# KiCad board A0180_eol_ecu_mix.kicad_pcb (continued)
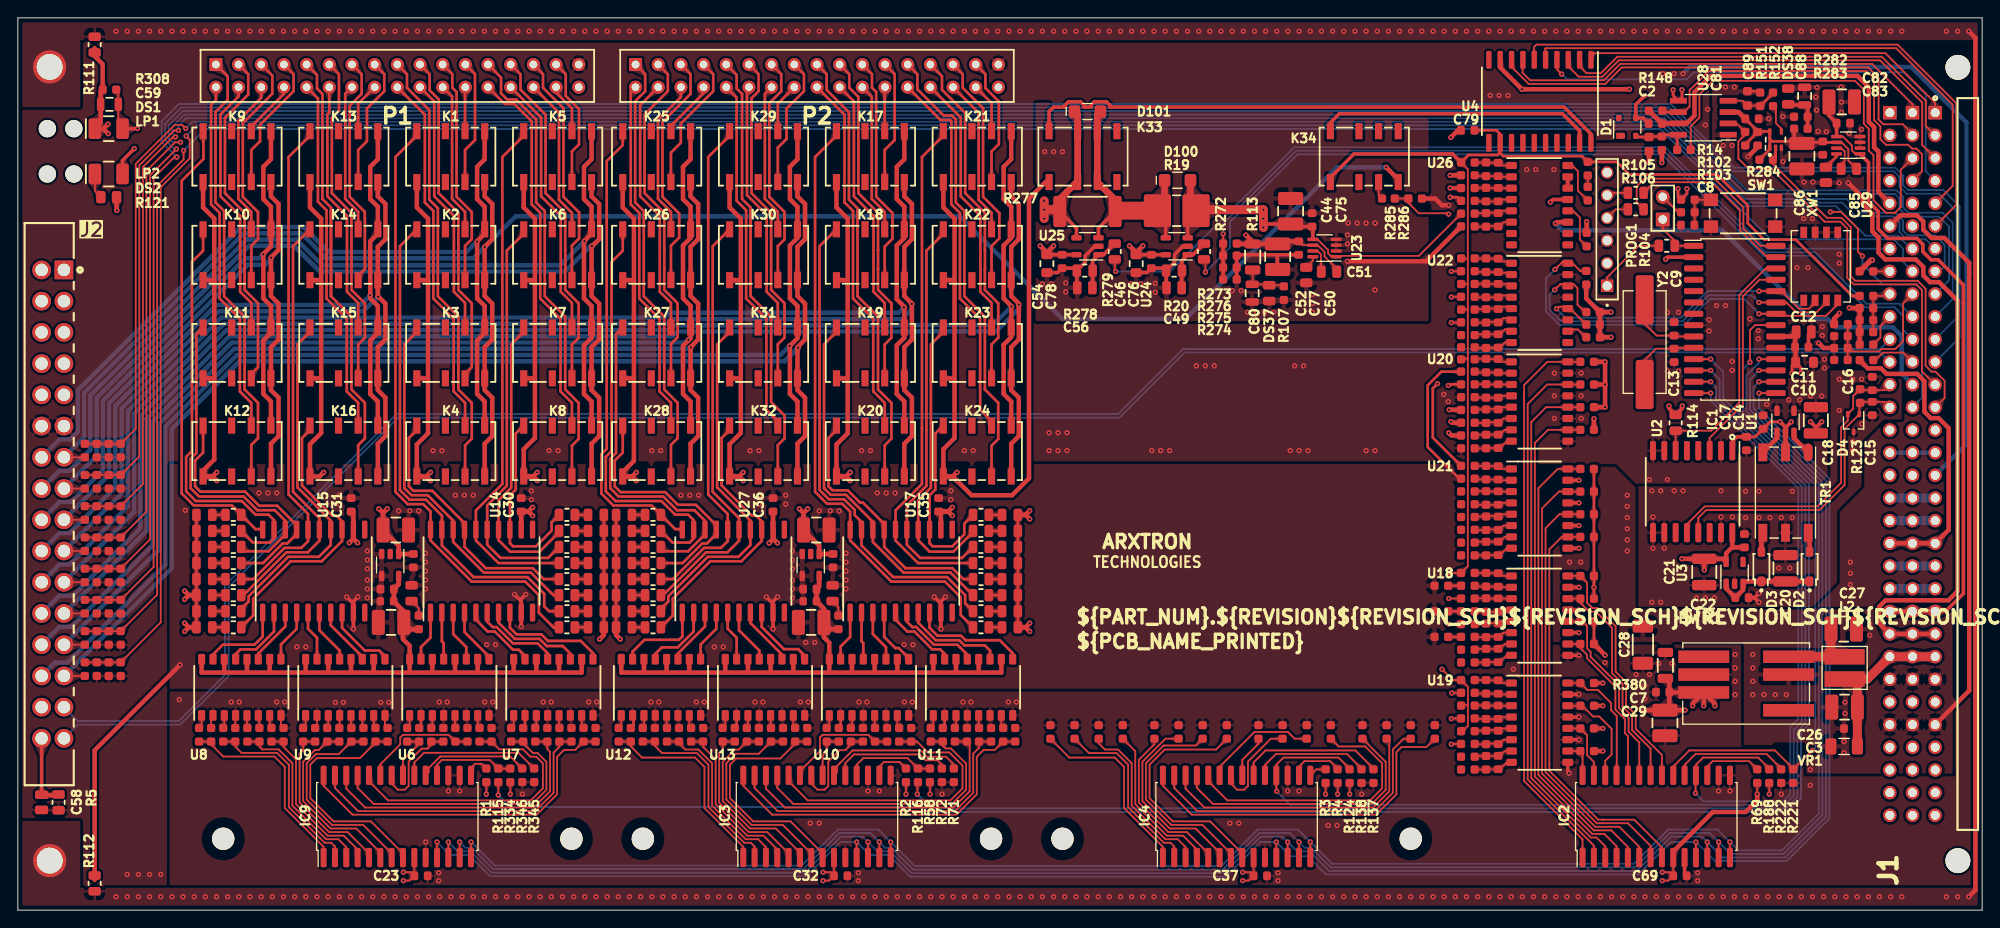
[diagram p0: board, top side]
## Routing (per net, layer and track width the routed paths; a pad name or vN(x,y) marks a point on that pad's centre or on a via; arc(x,y) is an arc through that point) (continued)
/AI#2+: length 263
  Top w0.2: R161.2 R237.1 R167.1 R162.1 14,47.75 14,83.27 17.39,86.66 v1(17.66,86.66)
  Bottom w0.2: v1(17.66,86.66) 17.3,87.02 17.3,87.8 18.65,89.15 184.6,89.15 184.78,88.97 193.49,80.26 210.24,80.26 210.75,79.75 210.75,78.61 211.63,77.72 215.18,77.72 216.3,76.6 216.3,70.61 J1.A9
/AI#2-: length 272.1
  Top w0.2: v1(18.22,86.06) 17.62,86.06 14.4,82.85 14.4,44.65 R164.1 R168.1 R238.1 R163.2
  Bottom w0.2: J1.A10 216.7,68.47 216.7,77.05 215.59,78.16 211.76,78.16 211.15,78.77 211.15,79.95 210.43,80.66 193.65,80.66 184.77,89.55 18.48,89.55 16.9,87.97 16.9,86.5 17.33,86.06 v1(18.22,86.06)
/AI#3+: length 279.3
  Top w0.2: R239.2 R247.1 R240.1 R251.1 14.8,41.55 14.8,82.35 v1(17.75,85.3)
  Bottom w0.2: v1(17.75,85.3) 17.53,85.3 16.5,86.33 16.5,88.13 18.32,89.95 184.93,89.95 185.55,89.33 192.08,82.8 210.1,82.8 210.75,82.15 210.75,81.09 211.54,80.3 215.14,80.3 217.1,78.34 217.1,66.33 J1.A11
/AI#3-: length 287.3
  Top w0.2: v1(17.8,84.4) 17.52,84.4 15.2,82.08 15.2,38.45 R242.1 R248.1 R252.1 R241.2
  Bottom w0.2: J1.A12 217.5,64.19 217.5,78.85 215.65,80.7 211.7,80.7 211.15,81.25 211.15,82.32 210.26,83.2 192.25,83.2 185.95,89.5 185.1,90.35 184.77,90.35 19.38,90.35 18.04,90.35 16.1,88.41 16.1,86.1 v1(17.8,84.4)
/AI#4+: length 265.8
  Top w0.2: v1(18.85,86.75) 19.25,86.35 19.25,84.25 16,81 16,32.25 R246.1 R250.1 R281.1 R245.2
  Bottom w0.2: v1(18.85,86.75) 20.05,87.95 184.11,87.95 184.28,87.78 193.16,78.9 203.6,78.9 206.92,75.58 210.58,75.58 212.04,74.13
/AI#4-: length 262.9
  Top w0.2: v1(18.56,85.13) 18.56,84.13 15.6,81.17 15.6,35.35 R244.1 R249.1 R280.1 R243.2
  Bottom w0.2: v1(18.56,85.13) 20.98,87.55 183.94,87.55 196.31,75.18 210.1,75.18 211.15,74.13 211.15,72.64 J1.B8
/AI#5+: length 16.6
  Top w0.2: R8.2 R7.2 R9.1 ; R8.2 R10.2 ; R8.2 205.33,62.61 208.45,62.61 208.73,62.89 210.28,62.89 211.15,63.75 211.15,68 J1.B9
/AI#5-: length 94.5
  Top w0.2: v1(135,75.8) 135,74.71
  Top w0.4: R274.2 R275.2 R276.2 R273.2
  Bottom w0.2: J1.B10 210.75,67.96 207.04,67.96 201.27,73.73 195.7,73.73 184.33,85.1 143.17,85.1 135,76.93 v1(135,75.8)
/AI#6+: length 97.6
  Top w0.2: v1(133,71.5) 133,73.28
  Bottom w0.2: J1.B11 211.15,65.02 211.15,66.6 210.19,67.56 206.87,67.56 201.1,73.33 195.49,73.33 184.12,84.7 143.33,84.7 135.75,77.12 135.75,74.25 v1(133,71.5)
/AI#6-: length 4.9
  Top w0.2: J1.B12 211.15,62.48 208.89,62.48 208.05,61.64
/AI#7+: length 98.6
  Top w0.2: R279.2 122.85,71.67 v1(122.95,71.58)
  Bottom w0.2: v1(122.95,71.58) 129.03,71.58 142.95,85.5 184.5,85.5 195.87,74.13 J1.C7
/AI#7-: length 1.9
  Top w0.2: R12.1 J1.C8
/AI#8+: length 5.7
  Top w0.2: R17.1 R15.2 R16.2 R18.2 ; 207.8,68.84 209.45,68.84
/AI#8-: length 3.9
  Top w0.2: J1.C10 208.61,65.46 208.61,64.19 R13.1
/APFI0: length 86.2
  Top w0.2: R285.1 R286.2 155.74,79.26 156.9,78.1 160.15,78.1 v1(160.25,78) ; v1(206.6,73.3) 206.1,73.8 206.1,76.34 204.19,78.25 v1(203,78.25)
  In2.Cu w0.2: v1(160.25,78) 160.25,76.25 165.5,71 181,71 188.25,78.25 v1(203,78.25)
  Bottom w0.2: v1(206.6,73.3) 206.6,72.37 208.86,70.11 212.64,70.11 213.25,69.49 213.25,57.41 J1.B14
/AUX_PWR: length 71.2
  Top w0.5: v1(160.25,53.5) 160.56,53.19 R209.1
  In2.Cu w0.5: v1(160.25,53.5) 160.9,52.85 199.65,52.85 205,47.5 210.05,47.5 210.86,46.69 210.86,37.23 J1.C22
  Bottom w1: J1.A22 J1.B22 J1.C22
/CAN/ECAN0Rx: length 23.3
  Top w0.2: 196.91,70.64 195.06,70.64 193.2,68.78 193.2,56.65 189.48,52.93 U2.3
/CAN/ECAN0Tx: length 28.1
  Top w0.2: U2.6 R114.2 189.66,53.73 192.8,56.88 192.8,68.95 195.76,71.92 IC1.26
/CFG_CH#0: length 216
  Top w0.2: J2.13 R157.1
  Top w0.5: K4.4 52.28,52.28 53.14,53.12 53.14,57.44 52.28,58.28 K3.4 52.28,63.1 53.14,63.95 53.14,67.97 52.28,68.83 K2.4 52.28,74.34 53.14,75.19 53.14,79.15 52.28,80 K1.4 ; v1(153.25,83.25) 154.6,81.9 K34.4
  Bottom w0.5: v1(153.25,83.25) 147.75,83.25 130.75,66.25 117,66.25 105.5,77.75 55.75,77.75 52.32,74.32 v1(52.29,74.32) 51.03,73.06 34.52,73.06 31.73,75.85 25.3,75.85 7.42,57.97 7.42,53.01 J2.13
/CFG_CH#1: length 114
  Top w0.2: R159.1 J2.15
  Top w0.5: K5.4 64.25,80 65.11,79.15 65.11,75.19 64.25,74.34 K6.4 64.25,68.83 65.11,67.97 65.11,63.95 64.25,63.1 K7.4 64.25,58.28 65.11,57.44 65.11,53.12 64.25,52.28 K8.4
  Bottom w0.5: v1(64.3,74.42) 64.13,74.42 61.28,71.58 33.81,71.58 30.94,74.45 25.88,74.45 8.82,57.39 8.82,50.91 J2.15
/CFG_CH#2: length 77.6
  Top w0.2: R161.1 J2.17
  Top w0.5: K9.4 28.34,80 29.19,79.15 29.19,74 28.34,73.14 K10.4 28.34,68.83 29.19,67.97 29.19,63.95 28.34,63.1 K11.4 28.34,58.28 29.19,57.44 29.19,53.12 28.34,52.28 K12.4
  Bottom w0.5: v1(28.38,73.12) 28.38,72.99 27.74,72.35 25.75,72.35 10.22,56.81 10.22,48.81 J2.17
/CFG_CH#3: length 90
  Top w0.2: R163.1 J2.19
  Top w0.5: K16.4 40.31,52.28 41.17,53.12 41.17,57.44 40.31,58.28 K15.4 40.31,63.1 41.17,63.95 41.17,67.97 40.31,68.83 K14.4 40.31,74.34 41.17,75.19 41.17,79.15 40.31,80 K13.4
  Bottom w0.5: v1(40.35,68.74) 40.35,68.73 39.67,68.05 39.6,68.05 38.66,67.11 22.5,67.11 11.62,56.23 11.62,46.71 J2.19
/CFG_CH#4: length 152.2
  Top w0.2: R239.1 J2.21
  Top w0.5: 99.28,81.6 99.28,80 100.13,79.15 100.13,75.19 99.28,74.34 99.28,68.83 100.13,67.97 100.13,63.95 99.28,63.1 99.28,58.28 100.13,57.44 100.13,53.12 99.28,52.28 99.28,48.6
  Bottom w0.5: v1(100.13,67.94) 100.13,67.34 99.04,66.25 73.26,66.25 72.72,65.71 23.08,65.71 13.02,55.65 13.02,44.61 J2.21
/CFG_CH#5: length 166.4
  Top w0.2: R241.1 J2.23
  Top w0.5: K21.4 111.25,80 112.1,79.15 112.1,75.19 111.25,74.34 K22.4 111.25,68.83 112.1,67.97 112.1,63.95 111.25,63.1 K23.4 111.25,58.28 112.1,57.44 112.1,53.12 111.25,52.28 K24.4
  Bottom w0.5: J2.23 14.42,42.51 14.42,55.07 23.66,64.31 73.3,64.31 73.84,64.85 99.35,64.85 99.62,64.85 99.63,64.86 109.56,64.86 112.11,67.41 v1(112.11,67.87)
/CFG_CH#6: length 129.7
  Top w0.2: R243.1 J2.25
  Top w0.5: K28.4 75.34,52.28 76.19,53.12 76.19,57.44 75.34,58.28 K27.4 75.34,63.1 76.19,63.95 76.19,67.97 75.34,68.83 K26.4 75.34,74.34 76.19,75.19 76.19,79.15 75.34,80 K25.4
  Bottom w0.5: v1(75.37,63.05) 75.23,62.91 24.24,62.91 15.82,54.49 15.82,40.41 J2.25
/CFG_CH#7: length 144.1
  Top w0.2: R245.1 J2.27
  Top w0.5: K32.4 87.31,52.28 88.16,53.12 88.16,57.44 87.31,58.28 K31.4 87.31,63.1 88.16,63.95 88.16,67.97 87.31,68.83 K30.4 87.31,74.34 88.16,75.19 88.16,79.15 87.31,80 K29.4
  Bottom w0.5: v1(87.39,63.04) 85.87,61.51 24.82,61.51 17.22,53.91 17.22,38.31 J2.27
/CFG_CH[0..3]/CFG_CH#0.0: length 14.1
  Top w0.3: P1.23 51.2,93.69 51.2,86.31 50.08,85.19 K1.3
/CFG_CH[0..3]/CFG_CH#0.1: length 25.8
  Top w0.3: P1.21 48.66,93.69 48.66,92.16 49.14,91.69 49.14,79.94 50.83,78.25 50.83,75.19 50.08,74.44 K2.3
/CFG_CH[0..3]/CFG_CH#0.2: length 37.4
  Top w0.3: P1.19 46.12,93.69 46.12,91.88 47.14,90.87 47.14,80.35 49.33,78.15 49.33,74.01 49.34,74.01 49.34,71.85 49.33,71.84 49.33,69.51 50.83,68.01 50.83,60.85 50.08,60.1
/CFG_CH[0..3]/CFG_CH#0.3: length 49.4
  Top w0.3: P1.17 43.58,93.69 43.58,92.16 46.08,89.66 46.08,79.62 47.04,78.66 47.04,68.8 49.33,66.51 49.33,58.35 50.83,56.85 50.83,52.84 50.08,52.09 50.08,49.1
/CFG_CH[0..3]/CFG_CH#1.0: length 14.6
  Top w0.3: 62.06,81.6 62.06,85.03 62.85,85.83 62.85,89.78 61.36,91.27 61.36,93.69 P1.31
/CFG_CH[0..3]/CFG_CH#1.1: length 26.6
  Top w0.3: 62.06,70.6 62.06,74.47 62.86,75.28 62.86,78.19 61.11,79.94 61.11,89.88 58.82,92.16 58.82,93.69 P1.29
/CFG_CH[0..3]/CFG_CH#1.2: length 38.1
  Top w0.3: 62.06,60.1 62.06,63.39 62.81,64.14 62.81,68.01 61.31,69.51 61.31,71.84 61.31,71.85 61.31,74.01 61.31,74.01 61.31,78.15 59.11,80.35 59.11,89.15 56.3,91.95 56.3,93.67 P1.27
/CFG_CH[0..3]/CFG_CH#1.3: length 50.8
  Top w0.3: 62.06,49.1 62.06,52.06 62.81,52.81 62.81,56.85 61.31,58.35 61.31,66.51 59.01,68.8 59.01,78.35 58.05,79.31 58.05,88.61 55.81,90.85 54.8,90.85 54.12,91.53 54.12,93.31 P1.25
/CFG_CH[0..3]/CFG_CH#2.0: length 15.6
  Top w0.3: K9.3 26.14,85.19 27.12,86.17 27.12,88.03 30.88,91.78 30.88,93.69 P1.7
/CFG_CH[0..3]/CFG_CH#2.1: length 27.1
  Top w0.3: K10.3 26.14,74.45 26.89,75.2 26.89,78.25 25.19,79.94 25.19,88.19 28.5,91.5 28.5,93.53 P1.5
/CFG_CH[0..3]/CFG_CH#2.2: length 38
  Top w0.3: 26.14,60.1 26.89,60.85 26.89,68.01 25.39,69.51 25.39,71.84 25.4,71.85 25.4,74.01 25.39,74.01 25.39,78.15 23.19,80.35 23.19,88.8 25.8,91.4 25.8,93.69 P1.3
/CFG_CH[0..3]/CFG_CH#2.3: length 49.1
  Top w0.3: P1.1 23.5,93.45 23.5,90.83 22.14,89.47 22.14,79.31 23.1,78.35 23.1,68.8 25.39,66.51 25.39,58.35 26.89,56.85 26.89,52.89 26.14,52.14 26.14,49.1
/CFG_CH[0..3]/CFG_CH#4.0: length 14.8
  Top w0.3: P1.15 41.04,93.69 41.04,91.78 39.09,89.84 39.09,86.17 38.11,85.19 K13.3
/CFG_CH[0..3]/CFG_CH#4.1: length 25.7
  Top w0.3: 38.11,71.1 38.86,71.85 38.86,77.55 38.85,77.55 38.85,78.26 37.17,79.94 37.17,90.14 38.5,91.48 38.5,93.69 P1.13
/CFG_CH[0..3]/CFG_CH#4.2: length 37.3
  Top w0.3: P1.11 35.96,93.69 35.96,89.59 35.17,88.8 35.17,80.35 37.36,78.15 37.36,69.51 38.86,68.01 38.86,64.14 38.11,63.39 38.11,60.1
/CFG_CH[0..3]/CFG_CH#4.3: length 58.4
  Top w0.3: 35.07,68.8 35.07,78.35 35.07,78.2 ; 35.07,68.8 37.36,66.51 37.36,58.35 38.86,56.85 38.86,52.86 38.11,52.11 38.11,49.1 ; 35.07,68.8 35.07,78.2 ; 35.07,78.2 35.07,78.74 34.11,79.7 34.11,91.47 33.5,92.08 33.5,93.61 P1.9
/CFG_CH[0..3]/RTN_CFG_CH#0.0: length 4.9
  Top w0.3: K1.6 50.08,92.19
/CFG_CH[0..3]/RTN_CFG_CH#0.1: length 17
  Top w0.3: P1.22 48.64,91.17 48.64,79.71 50.08,78.26 K2.6
/CFG_CH[0..3]/RTN_CFG_CH#0.2: length 29
  Top w0.3: K3.6 50.08,68.06 48.83,69.31 48.83,77.81 46.64,80 46.64,90.63 P1.20
/CFG_CH[0..3]/RTN_CFG_CH#0.3: length 41.1
  Top w0.3: K4.6 50.08,56.86 48.81,58.14 48.81,66.28 46.54,68.54 46.54,78.36 45.58,79.32 45.58,89.15 P1.18
/CFG_CH[0..3]/RTN_CFG_CH#1.0: length 5.7
  Top w0.3: 62.06,87.3 62.06,89.86 60.28,91.64 P1.32
/CFG_CH[0..3]/RTN_CFG_CH#1.1: length 17.7
  Top w0.3: P1.30 60.61,89.37 60.61,79.59 62.06,78.15 62.06,76.3
/CFG_CH[0..3]/RTN_CFG_CH#1.2: length 29.8
  Top w0.3: 62.06,65.3 62.06,68.06 60.81,69.31 60.81,77.81 58.61,80 58.61,88.83 P1.28
/CFG_CH[0..3]/RTN_CFG_CH#1.3: length 42.4
  Top w0.3: 62.06,54.3 62.06,56.86 60.78,58.14 60.78,66.28 58.51,68.54 58.51,78.14 57.55,79.1 57.55,88.41 55.61,90.35 54.54,90.35 P1.26
/CFG_CH[0..3]/RTN_CFG_CH#2.0: length 5.9
  Top w0.3: P1.8 29.8,91.47 26.14,87.82
/CFG_CH[0..3]/RTN_CFG_CH#2.1: length 17.6
  Top w0.3: K10.6 26.14,78.26 24.69,79.71 24.69,88.47 27.26,91.03 P1.6
/CFG_CH[0..3]/RTN_CFG_CH#2.2: length 29.2
  Top w0.3: K11.6 26.14,68.06 24.89,69.31 24.89,77.81 22.69,80 22.69,89.17 24.72,91.2 P1.4
/CFG_CH[0..3]/RTN_CFG_CH#2.3: length 40
  Top w0.3: P1.2 22.18,90.81 21.64,90.27 21.64,79.1 22.6,78.14 22.6,68.54 24.86,66.28 24.86,58.14 26.14,56.86 K12.6
/CFG_CH[0..3]/RTN_CFG_CH#4.0: length 5.7
  Top w0.3: P1.16 38.11,90.38 K13.6
/CFG_CH[0..3]/RTN_CFG_CH#4.1: length 16.8
  Top w0.3: K14.6 38.11,78.26 36.67,79.71 36.67,91.47 P1.14
/CFG_CH[0..3]/RTN_CFG_CH#4.2: length 28.4
  Top w0.3: K15.6 38.11,68.06 36.86,69.31 36.86,77.81 34.67,80 34.67,89.17 34.88,89.39 P1.12
/CFG_CH[0..3]/RTN_CFG_CH#4.3: length 40.3
  Top w0.3: P1.10 33.61,90.96 33.61,79.4 34.57,78.44 34.57,68.54 36.83,66.28 36.83,58.14 38.11,56.86 K16.6
/CFG_CH[4..7]/CFG_CH#0.0: length 14.1
  Top w0.3: K17.3 97.09,85.19 98.2,86.31 98.2,93.69 P2.23
/CFG_CH[4..7]/CFG_CH#0.1: length 25.9
  Top w0.3: K18.3 97.09,74.38 97.96,75.25 97.96,78.12 96.13,79.94 96.13,91.69 95.66,92.16 95.66,93.69 P2.21
/CFG_CH[4..7]/CFG_CH#0.2: length 37.4
  Top w0.3: P2.19 93.12,93.69 93.12,92.16 94.13,91.15 94.13,80.35 96.34,78.15 96.34,74.01 96.34,74.01 96.34,71.85 96.34,71.84 96.34,69.51 97.84,68.01 97.84,64.14 97.09,63.39 97.09,60.1
/CFG_CH[4..7]/CFG_CH#0.3: length 49.4
  Top w0.3: P2.17 90.58,93.69 90.58,91.92 93.08,89.42 93.08,79.62 94.04,78.66 94.04,68.8 96.34,66.51 96.34,58.35 97.84,56.85 97.84,52.84 97.09,52.09 97.09,49.1
/CFG_CH[4..7]/CFG_CH#1.0: length 14.6
  Top w0.3: P2.31 108.36,93.69 108.36,92.14 109.88,90.62 109.88,85.85 109.06,85.03 K21.3
/CFG_CH[4..7]/CFG_CH#1.1: length 26.7
  Top w0.3: P2.29 105.82,93.69 105.82,92.16 108.1,89.88 108.1,79.94 109.93,78.12 109.93,75.28 109.06,74.42 K22.3
/CFG_CH[4..7]/CFG_CH#1.2: length 38.1
  Top w0.3: P2.27 103.5,93.47 103.5,91.94 106.1,89.34 106.1,80.35 108.31,78.15 108.31,74.01 108.31,74.01 108.31,71.85 108.31,71.84 108.31,69.51 109.81,68.01 109.81,64.16 109.06,63.41 109.06,60.1
/CFG_CH[4..7]/CFG_CH#1.3: length 50.7
  Top w0.3: P2.25 100.74,93.69 100.74,92 103.69,89.05 104.61,89.05 105.05,88.61 105.05,79.31 106.01,78.35 106.01,68.8 108.31,66.51 108.31,58.35 109.81,56.85 109.81,52.81 109.06,52.06 109.06,49.1
/CFG_CH[4..7]/CFG_CH#2.0: length 15.6
  Top w0.3: P2.7 77.88,93.69 77.88,91.78 74.25,88.15 74.25,86 73.15,84.9 K25.3
/CFG_CH[4..7]/CFG_CH#2.1: length 27.1
  Top w0.3: P2.5 75.34,93.69 75.34,91.48 72.19,88.33 72.19,79.94 74.07,78.07 74.07,75.38 73.15,74.45 K26.3
/CFG_CH[4..7]/CFG_CH#2.2: length 38
  Top w0.3: 73.15,60.1 73.15,63.45 73.9,64.2 73.9,68.01 72.39,69.51 72.39,71.84 72.4,71.85 72.4,74.01 72.39,74.01 72.39,78.15 70.19,80.35 70.19,89.18 72.8,91.78 72.8,93.69 P2.3
/CFG_CH[4..7]/CFG_CH#2.3: length 48.9
  Top w0.3: 73.15,49.1 73.15,52.14 73.9,52.89 73.9,56.85 72.39,58.35 72.39,66.51 70.1,68.8 70.1,78.35 69.14,79.31 69.14,90.66 70.26,91.78 70.26,93.69 P2.1
/CFG_CH[4..7]/CFG_CH#4.0: length 14.8
  Top w0.3: P2.15 88.04,93.69 88.04,91.78 86.09,89.84 86.09,86.44 85.12,85.45 85.12,81.6
/CFG_CH[4..7]/CFG_CH#4.1: length 25.7
  Top w0.3: 85.12,71.1 85.12,74.42 85.87,75.17 85.87,78.25 84.16,79.94 84.16,90.45 85.5,91.78 85.5,93.69 P2.13
/CFG_CH[4..7]/CFG_CH#4.2: length 37.3
  Top w0.3: 85.12,60.1 85.12,63.42 85.87,64.17 85.87,68.01 84.37,69.51 84.37,78.15 82.16,80.35 82.16,90.99 82.96,91.78 82.96,93.69 P2.11
/CFG_CH[4..7]/CFG_CH#4.3: length 58.4
  Top w0.3: 82.07,68.8 84.37,66.51 84.37,56.94 85.87,55.44 85.87,52.86 85.12,52.11 85.12,49.1 ; 82.07,68.8 82.07,78.35 82.07,78.2 ; 82.07,68.8 82.07,78.2 ; P2.9 80.5,93.61 80.5,92.08 81.11,91.47 81.11,79.7 82.07,78.74 82.07,78.2
/CFG_CH[4..7]/RTN_CFG_CH#0.0: length 4.9
  Top w0.3: K17.6 97.09,92.19
/CFG_CH[4..7]/RTN_CFG_CH#0.1: length 17
  Top w0.3: P2.22 95.63,91.17 95.63,79.71 97.09,78.26 K18.6
/CFG_CH[4..7]/RTN_CFG_CH#0.2: length 29
  Top w0.3: P2.20 93.63,90.63 93.63,80 95.84,77.81 95.84,69.31 97.09,68.06 K19.6
/CFG_CH[4..7]/RTN_CFG_CH#0.3: length 41.1
  Top w0.3: P2.18 92.58,89.15 92.58,79.32 93.54,78.36 93.54,68.54 95.81,66.28 95.81,58.14 97.09,56.86 K20.6
/CFG_CH[4..7]/RTN_CFG_CH#1.0: length 5.7
  Top w0.3: P2.32 109.06,90.45 K21.6
/CFG_CH[4..7]/RTN_CFG_CH#1.1: length 17.7
  Top w0.3: P2.30 107.6,89.37 107.6,79.59 109.06,78.15 K22.6
/CFG_CH[4..7]/RTN_CFG_CH#1.2: length 29.8
  Top w0.3: K23.6 109.06,68.06 107.81,69.31 107.81,77.81 105.6,80 105.6,88.83 P2.28
/CFG_CH[4..7]/RTN_CFG_CH#1.3: length 41.9
  Top w0.3: P2.26 103.34,88.55 104.41,88.55 104.55,88.41 104.55,79.1 105.51,78.14 105.51,68.54 107.78,66.28 107.78,56.08 109.06,54.8
/CFG_CH[4..7]/RTN_CFG_CH#2.0: length 5.8
  Top w0.3: 73.15,87.9 76.8,91.55 P2.8
/CFG_CH[4..7]/RTN_CFG_CH#2.1: length 17.6
  Top w0.3: K26.6 73.15,78.26 71.69,79.71 71.69,88.56 74.26,91.12 P2.6
/CFG_CH[4..7]/RTN_CFG_CH#2.2: length 29.2
  Top w0.3: P2.4 69.69,90.2 69.69,80 71.89,77.81 71.89,69.31 73.15,68.06 K27.6
/CFG_CH[4..7]/RTN_CFG_CH#2.3: length 40
  Top w0.3: K28.6 73.15,56.86 71.86,58.14 71.86,66.28 69.6,68.54 69.6,78.14 68.64,79.1 68.64,91.69 P2.2
/CFG_CH[4..7]/RTN_CFG_CH#4.0: length 5.7
  Top w0.3: 85.12,87.3 85.12,90.38 P2.16
/CFG_CH[4..7]/RTN_CFG_CH#4.1: length 16.8
  Top w0.3: P2.14 83.66,91.47 83.66,79.71 85.12,78.26 85.12,76.3
/CFG_CH[4..7]/RTN_CFG_CH#4.2: length 28.1
  Top w0.3: 85.12,65.3 85.12,68.06 83.87,69.31 83.87,77.93 81.66,80.13 81.66,92.02
/CFG_CH[4..7]/RTN_CFG_CH#4.3: length 39.8
  Top w0.3: P2.10 80.5,91.07 80.5,79.51 81.57,78.44 81.57,68.54 83.84,66.28 83.84,56.08 85.12,54.8
/CURRENT_MEAS/PSa: length 23.3
  Top w0.4: U25.3 121.03,76.43 122.9,78.3 ; U24.4 128.56,77.46
  Top w0.75: D100.1 128.43,79.19 ; D101.2 120.9,89.15 120.9,81.6 ; 122.9,79.6 120.9,81.6
  Top w2: R19.2 123.61,78.39
/DIO#0: length 42.2
  Top w0.2: 176.16,95.6 176.6,96.04 209.16,96.04 214.74,90.46 J1.A1
/DIO#1: length 47.3
  Top w0.2: J1.A2 213.69,87.88 213.69,90.69 213.7,90.7 208.76,95.64 201.98,95.64 201.98,95.64 198.26,95.64 198.26,95.64 179.14,95.64 177.3,93.8 175.69,93.8 174.88,94.6 174.88,95.6
/DIO#2: length 50.7
  Top w0.2: J1.A3 213.29,85.75 213.29,90.52 208.56,95.24 201.81,95.24 201.81,95.24 198.42,95.24 198.42,95.24 179.31,95.24 177.47,93.4 174.82,93.4 173.62,94.6 173.62,95.6
/DIO#3: length 54.3
  Top w0.2: v1(172.9,93.7) 172.38,94.22 U4.4
  Bottom w0.2: v1(172.9,93.7) 173.5,93.1 186.9,93.1 187.7,93.9 211.2,93.9 213.69,91.41 213.69,82.81 J1.A4
/DIO#4: length 61.1
  Top w0.2: J1.A5 216.7,81.17 216.7,90.27 210.37,96.6 171.12,96.6 171.07,96.56 171.07,95.6
/DIO#5: length 66
  Top w0.2: J1.A6 217.1,79.03 217.1,90.43 210.53,97 170.07,97 169.81,96.73 169.81,95.6
/DIO#6: length 49.4
  Top w0.2: J1.B1 212.2,90.32 207.68,94.84 201.65,94.84 201.65,94.84 198.59,94.84 198.59,94.84 179.47,94.84 177.63,93 169.37,93 168.53,93.83 168.53,95.6
/DIO#7: length 53.4
  Top w0.2: 167.26,95.6 167.26,94.53 169.2,92.6 177.8,92.6 179.64,94.44 198.75,94.44 198.75,94.44 201.48,94.44 201.48,94.44 207.23,94.44 208.4,93.27 208.4,88.6 208.93,88.07 211.11,88.07 212.2,86.99
/DIO#8: length 48.9
  Top w0.2: R14.1 187.36,87.85 188.34,88.82 188.34,91.43 189.84,92.94 199.37,92.94 199.38,92.94 200.86,92.94 205.76,92.94 206.75,91.95 206.75,88.13 207.3,87.58 207.3,85.13 207.83,84.6 207.83,79.55 209.22,78.16 210.26,78.16 210.89,78.79 210.89,82.98 J1.B3
/DIO#9: length 42.1
  Top w0.2: 186.62,89.44 187.24,90.06 187.24,91.89 189.39,94.04 198.92,94.04 198.92,94.04 201.32,94.04 201.32,94.04 207.06,94.04 207.9,93.21 207.9,88.54 208.61,87.83 208.61,86.39 209.22,85.78 211.72,85.78 212.15,85.34 212.64,85.34 213.25,84.73 213.25,82.8 J1.B4
  Top w0.3: U28.6 184.35,89.44
/DUT_CAN+: length 228.7
  Bottom w0.2: J2.31 6.71,20.8 7.2,20.8 18.18,20.8 23.6,26.22 23.6,36.22 42.58,55.2 123.38,55.2 130.68,62.5 208.59,62.5 J1.C12
/DUT_CAN-: length 228.7
  Bottom w0.2: J2.29 6.71,21.2 7.2,21.2 18.02,21.2 23.2,26.38 23.2,36.38 42.42,55.6 123.22,55.6 130.52,62.9 208.59,62.9 J1.C11
/DUT_CAN_SHIELD: length 8.9
  Top w0.2: 2.66,13.43 2.66,12.83
  Top w0.4: J2.32 2.66,12.83
  Top w0.5: 4.56,12.87 2.7,12.87
/DUT_PWR: length 79.7
  Top w0.3: R205.1 160.32,58.92 v1(160.2,58.8)
  Top w0.5: v1(204.03,66.9) 203.42,66.29 R9.2
  In2.Cu w0.5: 207.25,58.2 207.25,57 209.1,55.15 210.35,55.15 211,54.5 211,53.25 212.2,52.05 J1.B16 ; 207.25,58.2 207.1,58.36 196.47,58.36 195.31,57.19 187.81,57.19 187,58 182.75,58 182.43,57.67 176.8,57.67 175.79,56.66 162.34,56.66 v1(160.2,58.8) ; 207.25,58.2 207.25,63.68 v1(204.03,66.9) ; J2.10 J2.9
  Bottom w0.5: J1.A16 J1.B16 J1.C16
/DUT_PWR_ON: length 51.4
  Top w0.5: U26.11 172.35,77.1 v1(172.2,76.95)
  Bottom w0.5: v1(172.2,76.95) 172.97,76.19 190.88,76.19 200.79,66.28 202.68,66.28 203.64,65.31 210.03,65.31 211,64.34 211,60.09 J1.B13
/FUNC_ID_BIT1: length 1.5
  Top w0.3: R172.1 R269.1
/FUNC_ID_BIT2: length 1.5
  Top w0.3: R174.1 R270.1
/FUNC_ID_BIT3: length 1.5
  Top w0.3: R176.1 R271.1
/IO_CAN+: length 33.1
  Top w0.2: J1.C14 209.04,56.97 C15.1 206.43,56.97 R123.1 206.25,56.79 D4.1 206.25,55.58 204.6,53.93 204.6,47.65 201.8,44.85 189.1,44.85 188.21,43.96 U2.13
/IO_CAN-: length 35.1
  Top w0.2: U2.12 186.94,43.26 188.93,45.25 201.55,45.25 204.2,47.9 204.2,54.1 204.95,54.85 D4.2 205.56,56.2 205.56,57.61 R123.2 206.43,58.27 C16.1 209.04,58.27 J1.C13
/IO_EXPANDER_#1/A0: length 2.1
  Top w0.2: R1.1 51.94,16.4 51.2,16.4 50.75,15.95
/IO_EXPANDER_#1/GPA0: length 5.6
  Top w0.2: 44.95,18.65 43.14,16.83 IC9.21 ; R21.1 R328.1
/IO_EXPANDER_#1/GPA1: length 10.1
  Top w0.2: 41.86,14.19 42.55,13.5 43.35,13.5 43.77,13.92 43.77,16.65 45.22,18.1 45.88,18.1 46.3,18.52 R22.1 R329.1
/IO_EXPANDER_#1/GPA2: length 12.6
  Top w0.2: R330.1 R23.1 48.25,19.65 43.14,19.65 42.83,19.34 42.83,18.58 40.59,16.34 40.59,15.58
/IO_EXPANDER_#1/GPA3: length 31.8
  Top w0.2: R24.1 R331.1 53.92,18.03 56.57,18.03 57.4,17.2 58.05,17.2 58.8,16.45 58.8,13.65 57.45,12.3 41.47,12.3 39.33,14.44
/IO_EXPANDER_#1/GPA4: length 31.9
  Top w0.2: IC9.25 38.06,13.7 39.85,11.9 57.62,11.9 59.2,13.48 59.2,16.62 58.21,17.61 57.69,17.61 56.6,18.7 ; R25.1 R332.1
/IO_EXPANDER_#1/GPA5: length 32.3
  Top w0.2: R26.1 R333.1 59.3,18.05 59.6,17.75 59.6,13.32 57.78,11.5 38.9,11.5 36.78,13.61 36.78,14.4
/IO_EXPANDER_#1/GPA6: length 34.7
  Top w0.2: 35.52,14.64 35.52,13.69 38.1,11.1 57.95,11.1 60,13.15 60,17.65 60.65,18.3 R27.1 R335.1
/IO_EXPANDER_#1/GPA7: length 38.4
  Top w0.2: R336.1 R28.1 62.42,17.96 61.17,17.96 60.4,17.19 60.4,12.99 58.11,10.7 37.48,10.7 34.25,13.93 34.25,14.64
/IO_EXPANDER_#1/GPB0: length 22.6
  Top w0.2: R29.1 R337.1 ; 21.65,18.58 23.01,17.22 28.73,17.22 29.9,16.05 29.9,11.45 34.25,7.1 IC9.1
/IO_EXPANDER_#1/GPB1: length 22.1
  Top w0.2: R30.1 R338.1 ; IC9.2 35.52,7.13 35.1,7.55 34.36,7.55 30.35,11.56 30.35,16.3 29.03,17.62 25.06,17.62 24.35,18.33 24.35,19.22
/IO_EXPANDER_#1/GPB2: length 19.4
  Top w0.2: R31.1 R339.1 ; 36.78,6.55 36.78,7.06 35.9,7.95 34.52,7.95 30.75,11.72 30.75,16.47 29.2,18.02 27.36,18.02 27.05,18.32 27.05,18.7
/IO_EXPANDER_#1/GPB3: length 18.3
  Top w0.2: R32.1 R340.1 ; 29.76,19.22 29.76,18.29 31.15,16.9 31.15,11.89 34.69,8.35 36.5,8.35 38.06,6.79
/IO_EXPANDER_#1/GPB4: length 18.5
  Top w0.2: R341.1 R33.1 31.95,17.92 31.55,17.53 31.55,12.05 34.85,8.75 36.93,8.75 39.33,6.36
/IO_EXPANDER_#1/GPB5: length 20.4
  Top w0.2: 40.59,6.45 37.9,9.15 35.02,9.15 31.95,12.22 31.95,16.63 33.27,17.95 33.71,17.95 R34.1 R342.1
/IO_EXPANDER_#1/GPB6: length 23.5
  Top w0.2: R343.1 R35.1 35.94,17.48 33.37,17.48 32.35,16.47 32.35,12.38 35.18,9.55 38.67,9.55 41.86,6.36
/IO_EXPANDER_#1/GPB7: length 26.4
  Top w0.2: 40.05,18.78 38.33,17.05 33.5,17.05 32.75,16.3 32.75,12.55 35.35,9.95 39.54,9.95 43.14,6.36 ; R36.1 R344.1
/IO_EXPANDER_#1/INTA: length 16
  Top w0.2: R345.1 56.07,17.63 45.48,17.63 44.41,16.56 IC9.20
/IO_EXPANDER_#1/INTB: length 12.5
  Top w0.2: IC9.19 46.01,15.44 46.01,15.93 47.31,17.23 55.13,17.23 R346.1
/IO_EXPANDER_#1/ISO_GPA0: length 5.6
  Top w0.3: 46.22,33.3 46.22,30.55 45.15,29.48 U6.15
/IO_EXPANDER_#1/ISO_GPA0a: length 68.6
  Top w0.3: 44.69,86.8 42.29,84.41 42.29,46.87 43.66,45.5 45.4,45.5 46.22,44.68 46.22,41.43 50.83,36.83 56.83,36.83 58.35,35.3 58.35,33.33 59.98,31.7 R37.1
/IO_EXPANDER_#1/ISO_GPA1: length 5.3
  Top w0.3: U6.13 47.69,29.93 47.49,30.14 47.49,33.3
/IO_EXPANDER_#1/ISO_GPA1a: length 55.4
  Top w0.3: R38.1 59.5,33.5 58.95,34.05 58.95,35.45 57.08,37.33 51.03,37.33 47.49,40.87 47.49,42.7 ; 47.49,43.51 47.5,43.52 47.5,44.21 45.71,46 43.87,46 42.79,47.08 42.79,74.41 K2.8
/IO_EXPANDER_#1/ISO_GPA2: length 5.8
  Top w0.3: U6.11 50.23,29.47 48.76,30.94 48.76,33.3
/IO_EXPANDER_#1/ISO_GPA2a: length 41
  Top w0.3: 48.76,43.44 48.76,43.65 45.91,46.5 44.08,46.5 43.29,47.29 43.29,63.41 44.69,64.8 ; R39.1 59.98,35.3 57.45,37.83 52.2,37.83 48.76,41.27 48.76,42.7
/IO_EXPANDER_#1/ISO_GPA3: length 6
  Top w0.3: 50.03,33.3 50.03,31.17 52.77,28.43
/IO_EXPANDER_#1/ISO_GPA3a: length 28.7
  Top w0.3: 50.03,43.37 46.4,47 44.29,47 43.79,47.5 43.79,52.91 44.69,53.8 ; R40.1 58.89,37.1 57.66,38.33 52.41,38.33 50.03,40.7 50.03,42.7
/IO_EXPANDER_#1/ISO_GPA4: length 7.2
  Top w0.3: 51.3,32.54 52.62,31.22 53.42,31.22 55.46,29.18 56.12,29.18 56.8,28.5
/IO_EXPANDER_#1/ISO_GPA4a: length 57.9
  Top w0.3: 56.66,86.8 54.26,84.41 54.26,47.76 51.3,44.8 51.3,41.42 53.82,38.9 R41.1
/IO_EXPANDER_#1/ISO_GPA5: length 10.2
  Top w0.3: 52.57,33.3 52.57,32.33 53.18,31.72 53.62,31.72 55.45,29.9 58.22,29.9 59.34,28.79 59.34,27.84
/IO_EXPANDER_#1/ISO_GPA5a: length 45.7
  Top w0.3: 56.66,75.8 54.76,73.91 54.76,47.55 52.57,45.36 52.57,40.95 54.04,39.47 59.38,39.47 R42.1
/IO_EXPANDER_#1/ISO_GPA6: length 11.5
  Top w0.3: 53.84,33.3 53.84,32.21 55.65,30.4 58.43,30.4 59.23,29.6 61.03,29.6 61.88,28.75 61.88,27.84
/IO_EXPANDER_#1/ISO_GPA6a: length 32.9
  Top w0.3: R43.1 60.61,42.36 58.42,40.17 55.12,40.17 53.84,41.46 53.84,45.93 55.26,47.35 55.26,63.41 56.66,64.8
/IO_EXPANDER_#1/ISO_GPA7: length 13
  Top w0.3: 55.11,33.3 55.11,31.65 55.86,30.9 58.64,30.9 59.36,30.17 63.05,30.17 64.42,28.81 64.42,27.93
/IO_EXPANDER_#1/ISO_GPA7a: length 21.5
  Top w0.3: K8.8 55.76,53.41 55.76,47.14 55.11,46.49 55.11,41.12 55.46,40.78 58.03,40.78 59.78,42.53 59.78,43.47 R44.1
/IO_EXPANDER_#1/ISO_GPB0: length 9.8
  Top w0.3: 21.85,27.84 21.85,28.65 22.95,29.75 26.5,29.75 27.42,30.67 27.42,33.3
/IO_EXPANDER_#1/ISO_GPB0a: length 52.3
  Top w0.3: 27.42,42.7 26.62,42.7 R45.1 23.97,45.35 19.7,45.35 18.35,46.7 18.35,81.75 20.78,84.18 20.78,87.27
/IO_EXPANDER_#1/ISO_GPB1: length 8.3
  Top w0.3: 28.69,33.3 28.69,31.23 26.68,29.22 24.92,29.22 24.39,28.69 24.39,27.84
/IO_EXPANDER_#1/ISO_GPB1a: length 47.7
  Top w0.3: K10.8 20.75,73.89 19.5,72.64 19.5,51.44 18.85,50.8 18.85,46.94 19.94,45.85 25.09,45.85 26.61,44.33 28.08,44.33 28.69,43.71 28.69,42.7 ; U15.19 28.69,41.65 28.24,41.2 26.32,41.2 R46.1
/IO_EXPANDER_#1/ISO_GPB2: length 6.4
  Top w0.3: 29.96,33.3 29.96,31.8 26.93,28.77 U8.11
/IO_EXPANDER_#1/ISO_GPB2a: length 37.6
  Top w0.3: 29.96,42.7 29.96,43.64 28.78,44.83 26.82,44.83 25.29,46.35 20.29,46.35 19.35,47.29 19.35,50.59 20,51.24 20,64.55 K11.8 ; 29.96,42.11 28.07,40.22 25.5,40.22 R47.1